# Altium PCB SHD2ZW2v1.2.1.PcbDoc (part 1 of 2) (continued)
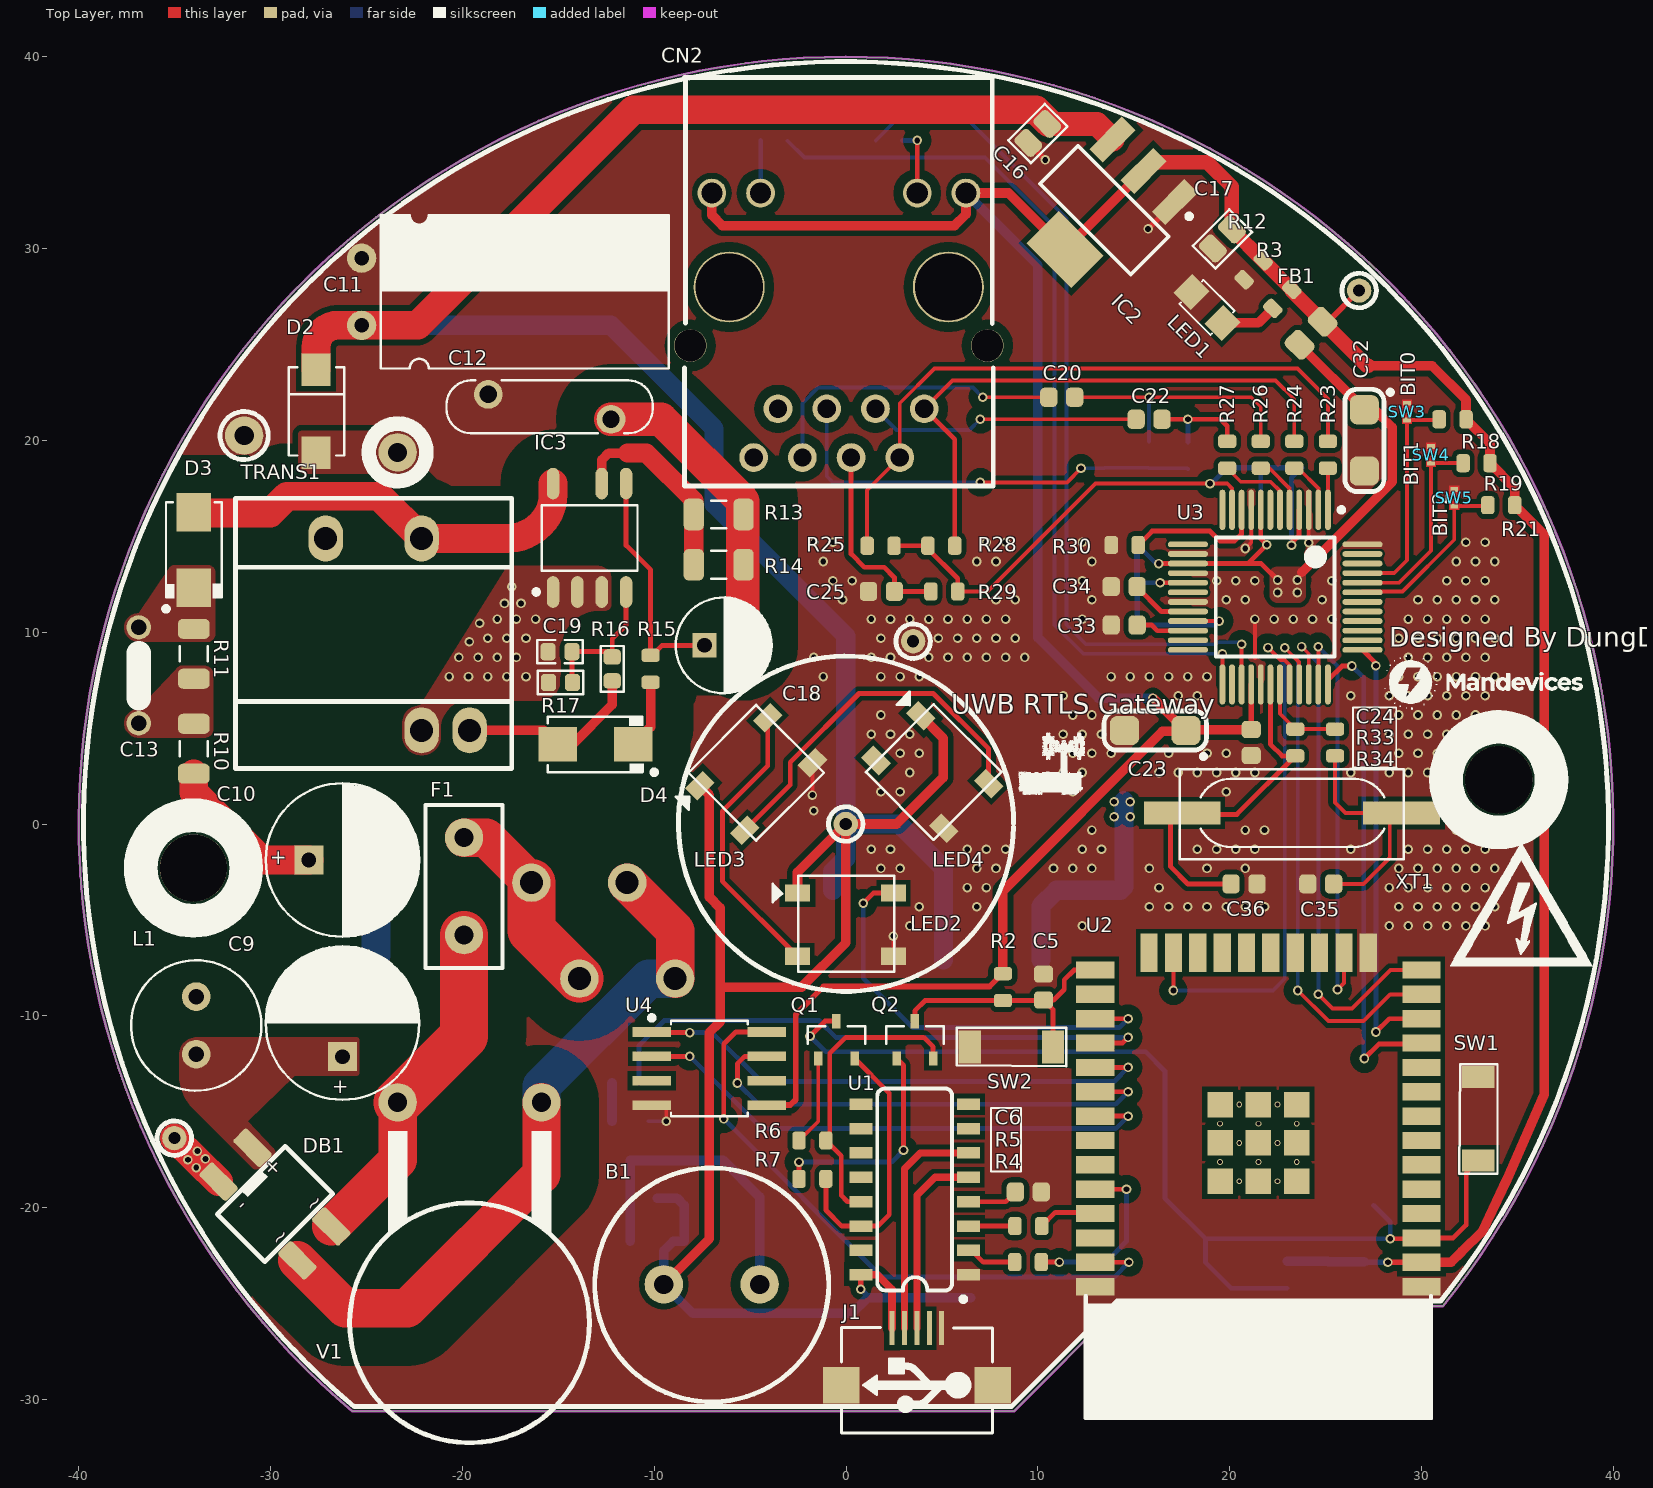
[diagram p0: Top Layer view]
## Footprints (in the part's own frame and the unit in brackets; to place one, negate y for a bottom-side part, rotate by r counter-clockwise, add the part's x,y. Pads: shape width x height; smd on the part's side, far side on the other; paste and mask are expansions set on the pad) (continued)
SMA [mm] "Molded Diode, 2-Leads, Body 4.27x2.57mm, IPC Low Density"
  rect 1.7x1.5 smd: 1(-2.165,0) 2(2.165,0)
  silkscreen extent -2.29,-1.42 2.31,1.48, body extent -2.52,-1.45 2.52,1.45, height 2.5
SO016 [mm]
  rect 0.6x1.2 smd: 1(-4.445,-2.8) 2(-3.175,-2.8) 3(-1.905,-2.8) 4(-0.635,-2.8) 5(0.635,-2.8) 6(1.905,-2.8) 7(3.175,-2.8) 8(4.445,-2.8) 9(4.445,2.8) 10(3.175,2.8) 11(1.905,2.8) 12(0.635,2.8) 13(-0.635,2.8) 14(-1.905,2.8) 15(-3.175,2.8) 16(-4.445,2.8)
  silkscreen extent -5.84,-2.67 5.26,1.95, body extent -4.98,-3.12 5,3.12, height 1.58
SO-7 [mm] "SOIC, 7-Leads, Body 4.90x3.90mm, Pitch 1.27mm, IPC Low Density"
  oval 0.65x1.65 smd: 1(-2.337,-3.028) 2(-1.067,-3.028) 3(0.203,-3.028) 4(1.473,-3.028) 5(1.473,2.622) 6(0.203,2.622) 7(-2.337,2.622)
  silkscreen extent -3.34,-3.15 2.07,1.5, body extent -2.93,-3.2 2.07,2.8, height 1.75
SOIC-8 [mm]
  rect 0.5x2 smd: 1(-1.905,-3) 2(-0.635,-3) 3(0.635,-3) 4(1.905,-3) 5(1.905,3) 6(0.635,3) 7(-0.635,3) 8(-1.905,3)
  silkscreen extent -2.77,-3.12 2.5,2.01, body extent -2.48,-2.97 2.42,3.03, height 1.7
SOT23-321-B [mm] "SOTFL, 3-Leads, Body 2.90x2.30mm, Pitch 0.95mm, IPC Medium Density"
  rect 0.85x0.55 smd: 1(1.025,-0.95) 2(1.025,0.95) 3(-1.025,0)
  silkscreen extent -0.7,-1.5 0.2,1.5, body extent -1.09,-1.46 1.25,1.46, height 1
SOT23-321-C [mm] "SOTFL, 3-Leads, Body 2.90x2.30mm, Pitch 0.95mm, IPC High Density"
  rect 0.75x0.45 smd: 1(0.975,-0.95) 2(0.975,0.95) 3(-0.975,0)
  silkscreen extent -0.7,-1.5 0.2,1.5, body extent -1.14,-1.46 1.2,1.46, height 1
SOT223-4N [mm] "SOT223, 4-Leads, Body 6.5x3.5mm, Pitch 2.3mm, Lead Span 7mm, IPC Medium Density"
  rect 2.4x1 smd: 1(-2.9,2.3) 2(-2.9,0) 3(-2.9,-2.3)
  rect 2.4x3.3 smd: 4(2.9,0)
  silkscreen extent -3.02,-3.35 1.4,3.47, body extent -3.39,-3.27 3.5,3.23, height 1.72
"SW0.5 NO" [mm] "Switch 2mm nomal open"
  rect 0.25x0.4 smd: 1(-0.437,0) 2(0.437,0)
  Top Layer region: -0.063,0.25 0.188,0 -0.062,-0.25 0.625,-0.25 0.625,0.25
  Top Layer region: -0.625,0.25 -0.25,0.25 0,0 -0.25,-0.25 -0.625,-0.25
"SW2 - 3x4x2.5" [mm]
  rect 1.15x1.7 smd: 1(-2.175,0) 2(2.175,0)
  silkscreen extent -2.85,-1 2.85,1, body extent -2.5,-1.45 2.4,1.45, height 2
TO-263-3-A [mm] "D2-PAK, 4-Pads, Body 7.93x8.69mm (max), IPC Low Density"
  rect 4.45x1.55 smd: 1(-6.3,2.54)
  rrect50% 4.45x1.55 smd: 2(-6.3,0) 3(-6.3,-2.54)
  rect 8.3x6.45 smd: 4(4.4,0)
  silkscreen extent -6.42,-5.35 -0.15,5.35, body extent -7.72,-5.15 7.38,5.15, height 4.61
"TP Multilayer" [mm] "Test point Multilayer"
  round 1.27 hole 0.635: 1(0,0)
  silkscreen extent -0.89,-0.89 0.89,0.89
USB-M1 [mil]
  rect 10x70 smd: 1(51.18,0) 2(25.59,0) 3(0,0) 4(-25.59,0) 5(-50,0)
  rect 74.8x74.8 smd: 5(-155.51,116.84) 5(155.51,116.84)
  silkscreen extent -155,-1 155,215, body extent -157,5 158,218, height 107
V10E300P-H [mm]
  round 2 hole 1: 1(-3.75,0) 2(3.75,0)
  silkscreen extent -6.25,-17.75 6.25,-1.5, body extent -6.25,-16.55 6.25,0.45, height 6.79
WS2812B [mm] "Intelligent control LED  integrated light source"
  rect 1.3x0.9 smd: 1(-2.5,1.65) 2(-2.5,-1.65) 3(2.5,-1.65) 4(2.5,1.65)
  silkscreen extent -3.8,-2.45 2.55,2.55, body extent -2.7,-2.5 2.7,2.5, height 1.55
XTAL-RU49/4 [mm]
  rect 4x1.2 smd: 1(-0.762,0) 2(10.668,0)
  silkscreen extent -0.89,-2.29 10.8,2.41, body extent -1.2,-2.22 11.1,2.48, height 4.3

## Part data
B1: library part PS1240P02BT, "Audio Indicators & Alerts Round 12.2mmx6.5mm 4kHz Vin=3V", BSH Partnumber="New part", Manufacture=TDK, ComponentLink1Description=Datasheet, ComponentLink1URL=https://product.tdk.com/info/en/catalog/datasheets/ef532_ps.pdf, ComponentLink2Description="Link sale", ComponentLink2URL=https://www.digikey.com/product-detail/en/tdk-corporation/PS1240P02BT/445-2525-3-ND/935924, Creator=NamNHc, Datasheet=https://product.tdk.com/info/en/catalog/datasheets/ef532_ps.pdf, Date=20170410, Distributor=Digikey, Link sale=https://www.digikey.com/product-detail/en/tdk-corporation/PS1240P02BT/445-2525-3-ND/935924, Partnumber=PS1240P02BT, Pricing (USD)=0.78
C1 C2 C3 C6 C8 C24 C26 C27 C28 C29 C30 C31: library part CL10B104KB8NNNC, "100nF ±10% 50V X7R 0603 Multilayer Ceramic Capacitors MLCC - SMD/SMT RoHS", BSH Partnumber=C1591, Manufacture="Samsung Electro-Mechanics", ComponentLink1Description=Datasheet, ComponentLink1URL=https://datasheet.lcsc.com/szlcsc/1811021431_Samsung-Electro-Mechanics-CL10B104KB8NNNC_C1591.pdf, ComponentLink2Description="Link sale", ComponentLink2URL=https://item.szlcsc.com/1943.html, Creator=Digo, Datasheet=https://datasheet.lcsc.com/szlcsc/1811021431_Samsung-Electro-Mechanics-CL10B104KB8NNNC_C1591.pdf, Date=20210218, Distributor="LCSC Electronics", Link sale=https://item.szlcsc.com/1943.html, Partnumber=CL10B104KB8NNNC, Pricing (USD)=0.008
C4 C5 C7 C33 C35 C36: library part CL10A106KP8NNNC, "10uF ±10% 10V X5R 0603 Multilayer Ceramic Capacitors MLCC - SMD/SMT RoHS", BSH Partnumber=C19702, Manufacture="Samsung Electro-Mechanics", ComponentLink1Description=Datasheet, ComponentLink1URL=https://datasheet.lcsc.com/szlcsc/1810191219_Samsung-Electro-Mechanics-CL10A106KP8NNNC_C19702.pdf, ComponentLink2Description="Link sale", ComponentLink2URL=https://item.szlcsc.com/20411.html, Creator=Digo, Datasheet=https://datasheet.lcsc.com/szlcsc/1810191219_Samsung-Electro-Mechanics-CL10A106KP8NNNC_C19702.pdf, Date=20210219, Distributor="LCSC Electronics", Link sale=https://item.szlcsc.com/20411.html, Partnumber=CL10A106KP8NNNC, Pricing (USD)=0.008
C9 C10: library part UVC2G4R7MPD, "CAPP 4.7uF 400V 20%", BSH Partnumber=C-4.7-400-8x12, Manufacture=Nichicon, ComponentLink1Description=Datasheet, ComponentLink1URL=http://www.mouser.com/ds/2/293/e-uvc-884169.pdf, ComponentLink2Description="Link sale", ComponentLink2URL=http://www.mouser.vn/ProductDetail/Nichicon/UVC2G4R7MPD/?qs=%2fha2pyFadugG8EgAuLk2FI4lDn3gTjIjspvzUlbO%2fdoUmPWf3U1vnw%3d%3d, Creator=SmartDevice, Datasheet=http://www.mouser.com/ds/2/293/e-uvc-884169.pdf, Date=20160610, Distributor=Mouser, Link sale=http://www.mouser.vn/ProductDetail/Nichicon/UVC2G4R7MPD/?qs=%2fha2pyFadugG8EgAuLk2FI4lDn3gTjIjspvzUlbO%2fdoUmPWf3U1vnw%3d%3d, Partnumber=UVC2G4R7MPD, Pricing (USD)=0.196
C11: library part EEU-FR1A102L, "Aluminum Electrolytic Capacitors - Leaded 10VDC 1000uF 8x15mm LS3.5mm", BSH Partnumber=C-1000u-10V-20, Manufacture=Panasonic, ComponentLink1Description=Datasheet, ComponentLink1URL=http://www.mouser.com/ds/2/315/ABA0000C1021-947569.pdf, ComponentLink2Description="Link sale", ComponentLink2URL=http://www.mouser.vn/ProductDetail/Panasonic/EEU-FR1A102L/?qs=sGAEpiMZZMtZ1n0r9vR22f2plZjWOZXTVY6dm5baXxU%3d, Creator=NamNHc, Datasheet=http://www.mouser.com/ds/2/315/ABA0000C1021-947569.pdf, Date=20160709, Distributor=Mouser, Link sale=http://www.mouser.vn/ProductDetail/Panasonic/EEU-FR1A102L/?qs=sGAEpiMZZMtZ1n0r9vR22f2plZjWOZXTVY6dm5baXxU%3d, Partnumber=EEU-FR1A102L, Pricing (USD)=0
C12: library part 562R5TSD22, "Ceramic Disc Capacitors 500volts 2200pF 10% .25LS X7R", BSH Partnumber="New part", Manufacture="Vishay / BC Components", ComponentLink1Description=Datasheet, ComponentLink1URL=http://www.mouser.com/ds/2/427/561r562r565r-239687.pdf, ComponentLink2Description="Link sale", ComponentLink2URL=http://www.mouser.vn/ProductDetail/Vishay-Cera-Mite/562R5TSD22/?qs=sGAEpiMZZMt1mVBmZSXTPInczIyfF0EBuZvvR8HKRKI=, Creator=NamNHc, Datasheet=http://www.mouser.com/ds/2/427/561r562r565r-239687.pdf, Date=20170329, Distributor=Mouser, Link sale=http://www.mouser.vn/ProductDetail/Vishay-Cera-Mite/562R5TSD22/?qs=sGAEpiMZZMt1mVBmZSXTPInczIyfF0EBuZvvR8HKRKI=, Partnumber=562R5TSD22, Pricing (USD)=0.338
C13: library part F221K25Y5RN6UK5R, "CAPP Ceramic Disc 220pF 1000V 10% 5x6.5mm", BSH Partnumber=C-220-1K-D, Manufacture="Vishay / BC Components", ComponentLink1Description=Datasheet, ComponentLink1URL=http://www.mouser.com/ds/2/427/hvldf02-515169.pdf, ComponentLink2Description="Link sale", ComponentLink2URL=http://www.mouser.vn/ProductDetail/Vishay/F221K25Y5RN6UK5R/?qs=%2fha2pyFaduiH3AWr3oDgc4rr8ZI%252b6maFUN2U6TJgzO2VQGuikzFv0A%3d%3d, Creator=SmartDevice, Datasheet=http://www.mouser.com/ds/2/427/hvldf02-515169.pdf, Date=20160716, Distributor=Mouser, Link sale=http://www.mouser.vn/ProductDetail/Vishay/F221K25Y5RN6UK5R/?qs=%2fha2pyFaduiH3AWr3oDgc4rr8ZI%252b6maFUN2U6TJgzO2VQGuikzFv0A%3d%3d, Partnumber=F221K25Y5RN6UK5R, Pricing (USD)=0.129
C14 C15 C16 C17: library part GRM21BR71A106KA73L, "CAP 0805 10uF 10V 10%", BSH Partnumber=C-10u-10V-0805-10, Manufacture="Murata Electronics", ComponentLink1Description=Datasheet, ComponentLink1URL=http://www.murata.com/products/catalog/pdf/c02e.pdf, ComponentLink2Description="Link sale", ComponentLink2URL=http://www.mouser.vn/ProductDetail/Murata/GRM21BR71A106KA73L/?qs=%2fha2pyFaduh%2fEdsyu96AxlYmpb%2fkUgcA5NhpACNM6PnXP0Re01zvkhFjHxs1cDT4, Creator=SmartDevice, Datasheet=http://www.murata.com/products/catalog/pdf/c02e.pdf, Date=20160715, Distributor=Mouser, Link sale=http://www.mouser.vn/ProductDetail/Murata/GRM21BR71A106KA73L/?qs=%2fha2pyFaduh%2fEdsyu96AxlYmpb%2fkUgcA5NhpACNM6PnXP0Re01zvkhFjHxs1cDT4, Partnumber=GRM21BR71A106KA73L, Pricing (USD)=0.039
C18: library part EEU-EB1H100S, "CAPP 10uF 50V 20%", BSH Partnumber=C-10u-50-20-D, Manufacture=Panasonic, ComponentLink1Description=Datasheet, ComponentLink1URL=http://www.mouser.com/ds/2/315/DMF0000COL62-951366.pdf, ComponentLink2Description="Link sale", ComponentLink2URL=http://www.mouser.vn/ProductDetail/Panasonic/EEU-EB1H100S/?qs=sGAEpiMZZMtZ1n0r9vR22RyzzjEKRzqKZbIP%252bqQ6oFI%3d, Creator=SmartDevice, Datasheet=http://www.mouser.com/ds/2/315/DMF0000COL62-951366.pdf, Date=20160716, Distributor=Mouser, Link sale=http://www.mouser.vn/ProductDetail/Panasonic/EEU-EB1H100S/?qs=sGAEpiMZZMtZ1n0r9vR22RyzzjEKRzqKZbIP%252bqQ6oFI%3d, Partnumber=EEU-EB1H100S, Pricing (USD)=0.072
C19: library part GRM1885C1H100JA01D, "CAP 0603 10pF 5% 50V", BSH Partnumber=C-100-50-0603-5, Manufacture="Murata Electronics", ComponentLink1Description=Datasheet, ComponentLink1URL=http://www.murata.com/products/catalog/pdf/c02e.pdf, ComponentLink2Description="Link sale", ComponentLink2URL=http://www.mouser.vn/ProductDetail/Murata/GRM1885C1H100JA01D/?qs=%2fha2pyFadug%2fvrC4VCXnlbJmrOFMaxj30QUgA6YXUVlxuM%2fhvX8xlA%3d%3d, Creator=SmartDevice, Datasheet=http://www.murata.com/products/catalog/pdf/c02e.pdf, Date=20160715, Distributor=Mouser, Link sale=http://www.mouser.vn/ProductDetail/Murata/GRM1885C1H100JA01D/?qs=%2fha2pyFadug%2fvrC4VCXnlbJmrOFMaxj30QUgA6YXUVlxuM%2fhvX8xlA%3d%3d, Partnumber=GRM1885C1H100JA01D, Pricing (USD)=0.01
C20 C22: library part CL10B683KB8NNNC, "50V 68nF X7R ±10% 0603 Multilayer Ceramic Capacitors MLCC - SMD/SMT ROHS", BSH Partnumber=C31658, Manufacture="Samsung Electro-Mechanics", ComponentLink1Description=Datasheet, ComponentLink1URL=https://item.szlcsc.com/32617.html, ComponentLink2Description="Link sale", ComponentLink2URL=https://datasheet.lcsc.com/lcsc/1811072020_Samsung-Electro-Mechanics-CL10B683KB8NNNC_C31658.pdf, Creator=Digo, Datasheet=https://item.szlcsc.com/32617.html, Date=20220127, Distributor="LCSC Electronics", Link sale=https://datasheet.lcsc.com/lcsc/1811072020_Samsung-Electro-Mechanics-CL10B683KB8NNNC_C31658.pdf, Partnumber=CL10B683KB8NNNC, Pricing (USD)=0.008
C21: library part CL10B103KB8NNNC, "10nF ±10% 50V X7R 0603 Multilayer Ceramic Capacitors MLCC - SMD/SMT RoHS", BSH Partnumber=C1589, Manufacture="Samsung Electro-Mechanics", ComponentLink1Description=Datasheet, ComponentLink1URL=https://datasheet.lcsc.com/szlcsc/1810191222_Samsung-Electro-Mechanics-CL10B103KB8NNNC_C1589.pdf, ComponentLink2Description="Link sale", ComponentLink2URL=https://lcsc.com/product-detail/Multilayer-Ceramic-Capacitors-MLCC-SMD-SMT_Samsung-Electro-Mechanics-CL10B103KB8NNNC_C1589.htmlhttps://lcsc.com/product-detail/Multilayer-Ceramic-Capacitors-MLCC-SMD-SMT_Samsung-Electro-Mechanics-CL10B103KB8NNNC_C1589.html, Creator=Digo, Datasheet=https://datasheet.lcsc.com/szlcsc/1810191222_Samsung-Electro-Mechanics-CL10B103KB8NNNC_C1589.pdf, Date=20210222, Distributor="LCSC Electronics", Link sale=https://lcsc.com/product-detail/Multilayer-Ceramic-Capacitors-MLCC-SMD-SMT_Samsung-Electro-Mechanics-CL10B103KB8NNNC_C1589.htmlhttps://lcsc.com/product-detail/Multilayer-Ceramic-Capacitors-MLCC-SMD-SMT_Samsung-Electro-Mechanics-CL10B103KB8NNNC_C1589.html, Partnumber=CL10B103KB8NNNC, Pricing (USD)=0.008
C23 C32: library part CAP-ALU-SMD, "Polarized Capacitor (Axial)", LatestRevisionDate=17-Jul-2002, LatestRevisionNote="Re-released for DXP Platform.", PackageReference=POLAR0.8, Published=8-Jun-2000, Publisher="Altium Limited"
C25: library part CL10B222KB8NNNC, "2.2nF ±10% 50V X7R 0603 Multilayer Ceramic Capacitors MLCC - SMD/SMT RoHS", BSH Partnumber=C16033, Manufacture="Samsung Electro-Mechanics", ComponentLink1Description=Datasheet, ComponentLink1URL=https://datasheet.lcsc.com/szlcsc/1810261512_Samsung-Electro-Mechanics-CL10B222KB8NNNC_C16033.pdf, ComponentLink2Description="Link sale", ComponentLink2URL=https://lcsc.com/product-detail/Multilayer-Ceramic-Capacitors-MLCC-SMD-SMT_SAMSUNG_CL10B222KB8NNNC_2-2nF-222-10-50V_C16033.html, Creator=Digo, Datasheet=https://datasheet.lcsc.com/szlcsc/1810261512_Samsung-Electro-Mechanics-CL10B222KB8NNNC_C16033.pdf, Date=20210222, Distributor="LCSC Electronics", Link sale=https://lcsc.com/product-detail/Multilayer-Ceramic-Capacitors-MLCC-SMD-SMT_SAMSUNG_CL10B222KB8NNNC_2-2nF-222-10-50V_C16033.html, Partnumber=CL10B222KB8NNNC, Pricing (USD)=0.008
C34: library part CL10A475MQ8NNNC, "Multilayer Ceramic Capacitors MLCC - SMD/SMT 4.7uF+/-20% 6.3V X5R 1608", BSH Partnumber="New part", Manufacture="Samsung Electro-Mechanics", ComponentLink1Description=Datasheet, ComponentLink1URL=https://www.mouser.vn/datasheet/2/585/MLCC-1837944.pdf, ComponentLink2Description="Link sale", ComponentLink2URL=https://www.mouser.vn/ProductDetail/Samsung-Electro-Mechanics/CL10A475MQ8NNNC/?qs=X6jEic%2FHinBqyUv6Rpt3UA%3D%3D, Creator=NamNH, Datasheet=https://www.mouser.vn/datasheet/2/585/MLCC-1837944.pdf, Date=20201215, Link sale=https://www.mouser.vn/ProductDetail/Samsung-Electro-Mechanics/CL10A475MQ8NNNC/?qs=X6jEic%2FHinBqyUv6Rpt3UA%3D%3D, Partnumber=CL10A475MQ8NNNC, Pricing (USD)=0.008
CN1: library part H60200801000G, "CON H60200801000G 4P Male", BSH Partnumber=CN-H60200801000G, Manufacture=ANYTEK, ComponentLink1Description=Datasheet, ComponentLink1URL=http://www.anytek.com.tw/UserUpFiles/20120827/QEmQqqk9rR3n.pdf, ComponentLink2Description="Link sale", ComponentLink2URL=http://www.anytek.com.tw/EN/search_product.aspx?cateid=&codename=&exflag1=0&exflag5=60200801000G&page=1, Creator=SmartDevice, Datasheet=http://www.anytek.com.tw/UserUpFiles/20120827/QEmQqqk9rR3n.pdf, Date=20160715, Link sale=http://www.anytek.com.tw/EN/search_product.aspx?cateid=&codename=&exflag1=0&exflag5=60200801000G&page=1, Partnumber=H60200801000G
CN2: "CON  RJ45  with Magnetics & LED", BSH Partnumber=CN-HR911105A, Manufacture=HanRun, ComponentLink1Description=Datasheet, ComponentLink1URL=http://www.tme.vn/upload/pdf/HR911105A.pdf, ComponentLink2Description="Link sale", ComponentLink2URL=http://www.mouser.com/ProductDetail/ALPS/SCHA5B0200/?qs=YMSFtX0bdJBJ9BVESQTYvg%3D%3D, Creator=ChienNQ, Datasheet=http://www.tme.vn/upload/pdf/HR911105A.pdf, Date=20150818, Link sale=http://www.mouser.com/ProductDetail/ALPS/SCHA5B0200/?qs=YMSFtX0bdJBJ9BVESQTYvg%3D%3D, Partnumber=HR911105A, Pricing (USD)=1.19
D1: "DIO D1206 150mA 75V Switching Chip Diode", BSH Partnumber=D-CD4148WP, Manufacture="Mayloon electronic", ComponentLink1Description=Datasheet, ComponentLink1URL=http://www.mouser.com/ds/2/115/ds18004-73542.pdf, ComponentLink2Description="Link sale", ComponentLink2URL=http://tme.vn/Product.aspx?id=1848, Creator=ChienNQ, Datasheet=http://www.mouser.com/ds/2/115/ds18004-73542.pdf, Date=20150818, Link sale=http://tme.vn/Product.aspx?id=1848, Partnumber=CD4148WP, Pricing (USD)=0.029
D2: "DIODE SMA 2.0A 150V 2.95x4.6x2.03mm", BSH Partnumber=D-STPS2150A, Manufacture=STMicroelectronics, ComponentLink1Description=Datasheet, ComponentLink1URL=http://www.mouser.com/ds/2/389/CD00003322-250509.pdf, ComponentLink2Description="Link sale", ComponentLink2URL=http://www.mouser.vn/ProductDetail/STMicroelectronics/STPS2150A/?qs=%2fha2pyFadugOUJO7vR3gGVErv5AK1AyP3XR3TiacJmw%3d, Creator=SmartDevice, Datasheet=http://www.mouser.com/ds/2/389/CD00003322-250509.pdf, Date=20160610, Distributor=Mouser, Link sale=http://www.mouser.vn/ProductDetail/STMicroelectronics/STPS2150A/?qs=%2fha2pyFadugOUJO7vR3gGVErv5AK1AyP3XR3TiacJmw%3d, Partnumber=STPS2150A, Pricing (USD)=0.155
D3 D4: library part GF1M-E3/67A, "DIODE DO-214AB 1000V 1A", BSH Partnumber=D-GF1M, Manufacture="Vishay Semiconductors", ComponentLink1Description=Datasheet, ComponentLink1URL=http://www.mouser.com/ds/2/427/gf1-240444.pdf, ComponentLink2Description="Link sale", ComponentLink2URL=http://vn.mouser.com/ProductDetail/Vishay-Semiconductors/GF1M-E3-67A/?qs=AvlKB63p5SmLpodxku2zLQ%3D%3D, Creator=SmartDevice, Datasheet=http://www.mouser.com/ds/2/427/gf1-240444.pdf, Date=20151022, Distributor=Mouser, Link sale=http://vn.mouser.com/ProductDetail/Vishay-Semiconductors/GF1M-E3-67A/?qs=AvlKB63p5SmLpodxku2zLQ%3D%3D, Partnumber=GF1M-E3/67A, Pricing (USD)=0.187
DB1: "DB SMD 0.8A 600V", BSH Partnumber=D-HD06-T, Manufacture="Diodes Incorporated", ComponentLink1Description=Datasheet, ComponentLink1URL=http://www.mouser.com/ds/2/115/ds17003-38038.pdf, ComponentLink2Description="Link sale", ComponentLink2URL=http://www.mouser.vn/ProductDetail/Diodes-Incorporated/HD06-T/?qs=sGAEpiMZZMtQ8nqTKtFS%2fNgL6ac11fJuElzuDV0ZOyo%3d, Creator=SmartDevice, Datasheet=http://www.mouser.com/ds/2/115/ds17003-38038.pdf, Date=20160704, Distributor=Mouser, Link sale=http://www.mouser.vn/ProductDetail/Diodes-Incorporated/HD06-T/?qs=sGAEpiMZZMtQ8nqTKtFS%2fNgL6ac11fJuElzuDV0ZOyo%3d, Partnumber=HD06-T, Pricing (USD)=0.151
F1: library part 36911000000, "FUSE 36911000000 1A 300V 4x8mm", BSH Partnumber=F-1A-300V, Manufacture="Little Fuse", ComponentLink1Description=Datasheet, ComponentLink1URL=http://www.mouser.com/ds/2/240/Littelfuse_Fuse_369_Datasheet.pdf-693406.pdf, ComponentLink2Description="Link sale", ComponentLink2URL=http://www.mouser.vn/ProductDetail/Littelfuse/36911000000/?qs=%2fha2pyFadugel56iQkHFpKBlKzqe72eQ8PsAjO18UxxK9Xd8%252bW4Qpg%3d%3d, Creator=SmartDevice, Datasheet=http://www.mouser.com/ds/2/240/Littelfuse_Fuse_369_Datasheet.pdf-693406.pdf, Date=20160611, Distributor=Mouser, Link sale=http://www.mouser.vn/ProductDetail/Littelfuse/36911000000/?qs=%2fha2pyFadugel56iQkHFpKBlKzqe72eQ8PsAjO18UxxK9Xd8%252bW4Qpg%3d%3d, Partnumber=36911000000, Pricing (USD)=0.212
FB1: library part CBW201209U301T, "2A 1 200mO 300O 100MHz 0805 Ferrite Beads ROHS", BSH Partnumber=C67451, Manufacture=FH, ComponentLink1Description=Datasheet, ComponentLink1URL=https://datasheet.lcsc.com/lcsc/1811061723_FH-Guangdong-Fenghua-Advanced-Tech-CBW201209U301T_C67451.pdf, ComponentLink2Description="Link sale", ComponentLink2URL=https://item.szlcsc.com/68546.html, Creator=Digo, Datasheet=https://datasheet.lcsc.com/lcsc/1811061723_FH-Guangdong-Fenghua-Advanced-Tech-CBW201209U301T_C67451.pdf, Date=20211109, Distributor="LCSC Electronics", Link sale=https://item.szlcsc.com/68546.html, Partnumber=CBW201209U301T, Pricing (USD)=0.032
IC1: "78L05"
IC2: "3v3"
IC3: library part TEA1721AT/N1,118, "IC AC/DC Converter SO-7 5.0x6.2x1.75mm", BSH Partnumber=IC-TEA1721AT/N1,118, Manufacture=NXP, ComponentLink1Description=Datasheet, ComponentLink1URL=http://www.mouser.com/ds/2/302/TEA1721AT-843077.pdf, ComponentLink2Description="Link sale", ComponentLink2URL=http://www.mouser.vn/ProductDetail/NXP/TEA1721AT-N1118/?qs=%2fha2pyFadujS%2fIwLEty%2falDzm3J8%2fJUNkB0iVdfNz8M%3d, Creator=SmartDevice, Datasheet=http://www.mouser.com/ds/2/302/TEA1721AT-843077.pdf, Date=20160611, Distributor=Mouser, Link sale=http://www.mouser.vn/ProductDetail/NXP/TEA1721AT-N1118/?qs=%2fha2pyFadujS%2fIwLEty%2falDzm3J8%2fJUNkB0iVdfNz8M%3d, Partnumber=TEA1721AT/N1,118, Pricing (USD)=1
J1: Manufacturer=FCI, Manufacturer Part Number=10118193-0001LF, Supplier Part Number 1=609-4616-1-ND, .Checked PCB=RF, .Checked SCH=MM, .Creator=MM, Category="Connectors, Interconnects", ComponentLink1Description=http://portal.fciconnect.com/Comergent//fci/drawing/10118193.pdf, ComponentLink1URL=http://portal.fciconnect.com/Comergent//fci/drawing/10118193.pdf, Connector Type="USB - micro B", Features="Shielded, Solder Retention", Gender=Receptacle, Ingress Protection=-, Mounting Type="Surface Mount, Right Angle, Horizontal", Number of Contacts=5, Packaging="Cut Tape (CT)", Pricing 1="1=0.46, 10=0.433, 25=0.3712, 50=0.3156, 100=0.3032, 250=0.27224, 500=0.25988 (USD)", RoHS="RoHS Compliant", Specifications="USB 2.0", Stock 1=28642, Supplier 1=Digi-Key